# Allegro board 8880F5-0826_3.brd (continued)
## Routing (per net, layer and track width the routed paths; a pad name or vN(x,y) marks a point on that pad's centre or on a via; arc(x,y) is an arc through that point) (continued)
N26495679: length 3
  BOTTOM w0.119: UNK3R67.2 211.54,204.56 211.07,204.09 UNK3K16.3
N26495680: length 3
  BOTTOM w0.119: UNK3R68.1 211.54,201.42 211.07,201.89 UNK3K16.4
N26495681: length 3
  BOTTOM w0.119: UNK3K16.5 199.4,201.89 198.92,201.42 UNK3R70.1
N26495682: length 3
  BOTTOM w0.119: UNK3K16.6 199.4,204.09 198.92,204.56 UNK3R69.2
N26495704: length 3
  BOTTOM w0.119: UNK3R30.1 198.92,214.88 199.4,215.35 UNK3K6.5
N26495706: length 3
  BOTTOM w0.119: UNK3R27.2 211.54,218.02 211.07,217.55 UNK3K6.3
N26495707: length 3
  BOTTOM w0.119: UNK3R28.1 211.54,214.88 211.07,215.35 UNK3K6.4
N26495708: length 3
  BOTTOM w0.119: UNK3R29.2 198.92,218.02 199.4,217.55 UNK3K6.6
N26495709: length 3
  BOTTOM w0.119: UNK3R34.1 182.16,201.42 182.63,201.89 UNK3K7.5
N26495711: length 3
  BOTTOM w0.119: UNK3R31.2 194.78,204.56 194.3,204.09 UNK3K7.3
N26495712: length 3
  BOTTOM w0.119: UNK3R32.1 194.78,201.42 194.3,201.89 UNK3K7.4
N26495713: length 3
  BOTTOM w0.119: UNK3K7.6 182.63,204.09 182.16,204.56 UNK3R33.2
N26495755: length 3
  BOTTOM w0.119: UNK3K11.3 177.54,204.09 178.01,204.56 UNK3R39.2
N26495756: length 3
  BOTTOM w0.119: UNK3K11.4 177.54,201.89 178.01,201.42 UNK3R40.1
N26495757: length 3
  BOTTOM w0.119: UNK3K8.5 182.63,187.92 182.16,187.45 UNK3R38.1
N26495759: length 3
  BOTTOM w0.119: UNK3K8.6 182.63,190.12 182.16,190.59 UNK3R37.2
N26495760: length 3
  BOTTOM w0.119: UNK3K11.6 165.87,204.09 165.4,204.56 UNK3R41.2
N26495761: length 3
  BOTTOM w0.119: UNK3R42.1 165.4,201.42 165.87,201.89 UNK3K11.5
N26495803: length 3
  BOTTOM w0.119: UNK3R26.1 182.16,214.88 182.63,215.35 UNK3K5.5
N26495805: length 3
  BOTTOM w0.119: UNK3R23.2 194.78,218.02 194.3,217.55 UNK3K5.3
N26495806: length 3
  BOTTOM w0.119: UNK3K5.4 194.3,215.35 194.78,214.88 UNK3R24.1
N26495807: length 3
  BOTTOM w0.119: UNK3R25.2 182.16,218.02 182.63,217.55 UNK3K5.6
N26495828: length 3
  BOTTOM w0.119: UNK3K3.5 262.09,145.03 261.62,145.5 UNK3R18.1
N26495829: length 3
  BOTTOM w0.119: UNK3K3.6 264.29,145.03 264.76,145.5 UNK3R17.2
N26495830: length 3
  BOTTOM w0.119: UNK3K3.4 262.09,133.36 261.62,132.88 UNK3R16.1
N26495831: length 3
  BOTTOM w0.119: UNK3K3.3 264.29,133.36 264.76,132.88 UNK3R15.2
N26495834: length 3
  BOTTOM w0.119: UNK3R10.1 274.82,157.69 275.3,157.22 UNK3K1.5
N26495835: length 3
  BOTTOM w0.119: UNK3R9.2 277.97,157.69 277.5,157.22 UNK3K1.6
N26495836: length 3
  BOTTOM w0.119: UNK3K1.4 275.3,145.55 274.82,145.08 UNK3R8.1
N26495837: length 3
  BOTTOM w0.119: UNK3R7.2 277.97,145.08 277.5,145.55 UNK3K1.3
N26495839: length 3
  BOTTOM w0.119: UNK3R11.2 251.81,129.84 251.33,130.31 UNK3K2.3
N26495840: length 3
  BOTTOM w0.119: UNK3K2.4 249.13,130.31 248.66,129.84 UNK3R12.1
N26495841: length 3
  BOTTOM w0.119: UNK3R22.1 165.4,173.99 165.87,174.46 UNK3K4.5
N26495843: length 3
  BOTTOM w0.119: UNK3K4.3 177.54,176.66 178.01,177.13 UNK3R19.2
N26495844: length 3
  BOTTOM w0.119: UNK3K4.4 177.54,174.46 178.01,173.99 UNK3R20.1
N26495845: length 3
  BOTTOM w0.119: UNK3R21.2 165.4,177.13 165.87,176.66 UNK3K4.6
N26495846: length 3
  BOTTOM w0.119: UNK3K2.5 249.13,141.98 248.66,142.45 UNK3R14.1
N26495847: length 3
  BOTTOM w0.119: UNK3R13.2 251.81,142.45 251.33,141.98 UNK3K2.6
N26496039:
  vias: v1(123.38,197.41)
N26496040:
  vias: v1(127.95,197.41)
N26496047:
  vias: v1(222.38,213.82) v1(222.38,212.66) v1(224.65,211.67)
N26496049:
  vias: v1(222.38,215.98) v1(222.38,214.82) v1(224.65,216.97)
N26496050:
  vias: v1(221.21,216.98) v1(222.38,216.98)
N26496051:
  vias: v1(221.21,211.66) v1(222.38,211.66)
N26496080:
  vias: v1(128.01,182.12)
N26496081:
  vias: v1(128.01,189.74)
N26496142:
  vias: v1(96.53,197.36)
N26496146:
  vias: v1(96.53,189.74)
N26500269:
  vias: v1(88.78,163.72)
N26500273:
  vias: v1(89.02,177.49)
N26500275:
  vias: v1(94.09,177.49)
N26500282:
  vias: v1(102.35,171.81)
N26500316:
  vias: v1(102.45,185.42)
N26500354:
  vias: v1(94.09,163.77)
N26501112:
  vias: v1(111.55,288.29)
N26501118:
  vias: v1(101.81,271.78)
N26501123:
  vias: v1(128.06,271.78)
N26501243:
  vias: v1(75.99,271.78)
N26501249:
  vias: v1(75.99,288.29)
N26501321:
  vias: v1(93.77,271.78)
N26501327:
  vias: v1(93.77,288.29)
N26501460:
  vias: v1(66.25,288.29)
N26501466:
  vias: v1(66.25,271.78)
N26501470:
  vias: v1(84.03,288.29)
N26501472:
  vias: v1(118.32,271.78)
N26501478:
  vias: v1(101.81,288.29)
N26504239: length 3
  BOTTOM w0.119: UNK4R55.2 393.35,190.46 393.83,189.99 UNK4K25.3
N26504240: length 3
  BOTTOM w0.119: UNK4K25.4 396.03,189.99 396.5,190.46 UNK4R56.1
N26504241: length 3
  BOTTOM w0.119: UNK4R57.2 393.35,177.84 393.83,178.31 UNK4K25.6
N26504242: length 3
  BOTTOM w0.119: UNK4R58.1 396.5,177.84 396.03,178.31 UNK4K25.5
N26504244: length 3
  BOTTOM w0.119: UNK4K26.3 407.29,189.99 406.82,190.46 UNK4R59.2
N26504245: length 3
  BOTTOM w0.119: UNK4R60.1 409.96,190.46 409.49,189.99 UNK4K26.4
N26504246: length 3
  BOTTOM w0.119: UNK4K26.6 407.29,178.31 406.82,177.84 UNK4R61.2
N26504247: length 3
  BOTTOM w0.119: UNK4R62.1 409.96,177.84 409.49,178.31 UNK4K26.5
N26504249: length 3
  BOTTOM w0.119: UNK4K27.5 382.82,161.55 383.29,161.08 UNK4R66.1
N26504250: length 3
  BOTTOM w0.119: UNK4R65.2 380.15,161.08 380.62,161.55 UNK4K27.6
N26504257: length 3
  BOTTOM w0.119: UNK4K22.6 373.89,196.98 373.42,197.45 UNK4R45.2
N26504258: length 3
  BOTTOM w0.119: UNK4R46.1 373.42,194.31 373.89,194.78 UNK4K22.5
N26504259: length 3
  BOTTOM w0.119: UNK4K23.3 402.08,196.98 402.55,197.45 UNK4R47.2
N26504260: length 3
  BOTTOM w0.119: UNK4R48.1 402.55,194.31 402.08,194.78 UNK4K23.4
N26504261: length 3
  BOTTOM w0.119: UNK4R49.2 389.93,197.45 390.4,196.98 UNK4K23.6
N26504262: length 3
  BOTTOM w0.119: UNK4R50.1 389.93,194.31 390.4,194.78 UNK4K23.5
N26504264: length 3
  BOTTOM w0.119: UNK4R51.2 356.57,133.44 356.1,132.97 UNK4K24.3
N26504265: length 3
  BOTTOM w0.119: UNK4R52.1 356.57,130.3 356.1,130.77 UNK4K24.4
N26504266: length 3
  BOTTOM w0.119: UNK4R53.2 343.96,133.44 344.43,132.97 UNK4K24.6
N26504267: length 3
  BOTTOM w0.119: UNK4K24.5 344.43,130.77 343.96,130.3 UNK4R54.1
N26504282: length 3
  BOTTOM w0.119: UNK4R102.2 386.04,197.45 385.57,196.98 UNK4K22.3
N26504283: length 3
  BOTTOM w0.119: UNK4K22.4 385.57,194.78 386.04,194.31 UNK4R103.1
N26504284: length 3
  BOTTOM w0.119: UNK4K27.3 380.62,173.22 380.15,173.69 UNK4R104.2
N26504285: length 3
  BOTTOM w0.119: UNK4R105.1 383.29,173.69 382.82,173.22 UNK4K27.4
N26504400:
  vias: v1(465.57,192.28)
N26504405:
  vias: v1(468.62,192.28)
N26504440: length 3
  BOTTOM w0.119: UNK4K17.3 416.18,141.73 415.71,142.2 UNK4R71.2
N26504441: length 3
  BOTTOM w0.119: UNK4K17.4 418.38,141.73 418.85,142.2 UNK4R72.1
N26504442: length 3
  BOTTOM w0.119: UNK4K17.5 418.38,130.05 418.85,129.58 UNK4R74.1
N26504443: length 3
  BOTTOM w0.119: UNK4K17.6 416.18,130.05 415.71,129.58 UNK4R73.2
N26504444: length 3
  BOTTOM w0.119: UNK4K21.3 389.76,141.73 389.29,142.2 UNK4R75.2
N26504445: length 3
  BOTTOM w0.119: UNK4R76.1 392.43,142.2 391.96,141.73 UNK4K21.4
N26504446: length 3
  BOTTOM w0.119: UNK4K21.5 391.96,130.05 392.43,129.58 UNK4R78.1
N26504447: length 3
  BOTTOM w0.119: UNK4K21.6 389.76,130.05 389.29,129.58 UNK4R77.2
N26504448: length 3
  BOTTOM w0.119: UNK4R79.2 406.82,173.95 407.29,173.48 UNK4K29.3
N26504449: length 3
  BOTTOM w0.119: UNK4R80.1 409.96,173.95 409.49,173.48 UNK4K29.4
N26504450: length 3
  BOTTOM w0.119: UNK4K29.6 407.29,161.8 406.82,161.33 UNK4R43.2
N26504451: length 3
  BOTTOM w0.119: UNK4K29.5 409.49,161.8 409.96,161.33 UNK4R44.1
N26504452: length 3
  BOTTOM w0.119: UNK4K30.3 310.22,155.89 309.75,156.36 UNK4R63.2
N26504453: length 3
  BOTTOM w0.119: UNK4K30.4 312.42,155.89 312.89,156.36 UNK4R64.1
N26504454: length 3
  BOTTOM w0.119: UNK4R101.1 312.89,143.74 312.42,144.21 UNK4K30.5
N26504455: length 3
  BOTTOM w0.119: UNK4K30.6 310.22,144.21 309.75,143.74 UNK4R100.2
N26504536: length 3
  BOTTOM w0.119: UNK4R67.2 393.35,173.95 393.83,173.48 UNK4K16.3
N26504537: length 3
  BOTTOM w0.119: UNK4K16.4 396.03,173.48 396.5,173.95 UNK4R68.1
N26504538: length 3
  BOTTOM w0.119: UNK4R70.1 396.5,161.33 396.03,161.8 UNK4K16.5
N26504539: length 3
  BOTTOM w0.119: UNK4K16.6 393.83,161.8 393.35,161.33 UNK4R69.2
N26504561: length 3
  BOTTOM w0.119: UNK4R30.1 423.68,144.57 423.2,145.04 UNK4K6.5
N26504563: length 3
  BOTTOM w0.119: UNK4K6.3 421,156.71 420.53,157.18 UNK4R27.2
N26504564: length 3
  BOTTOM w0.119: UNK4R28.1 423.68,157.18 423.2,156.71 UNK4K6.4
N26504565: length 3
  BOTTOM w0.119: UNK4K6.6 421,145.04 420.53,144.57 UNK4R29.2
N26504566: length 3
  BOTTOM w0.119: UNK4R34.1 413.3,180.84 413.77,181.32 UNK4K7.5
N26504568: length 3
  BOTTOM w0.119: UNK4K7.3 425.44,183.52 425.92,183.99 UNK4R31.2
N26504569: length 3
  BOTTOM w0.119: UNK4K7.4 425.44,181.32 425.92,180.84 UNK4R32.1
N26504570: length 3
  BOTTOM w0.119: UNK4R33.2 413.3,183.99 413.77,183.52 UNK4K7.6
N26504612: length 3
  BOTTOM w0.119: UNK4R39.2 380.15,190.46 380.62,189.99 UNK4K11.3
N26504613: length 3
  BOTTOM w0.119: UNK4K11.4 382.82,189.99 383.29,190.46 UNK4R40.1
N26504614: length 3
  BOTTOM w0.119: UNK4K8.5 405.17,130.05 405.64,129.58 UNK4R38.1
N26504616: length 3
  BOTTOM w0.119: UNK4R37.2 402.5,129.58 402.97,130.05 UNK4K8.6
N26504617: length 3
  BOTTOM w0.119: UNK4R41.2 380.15,177.84 380.62,178.31 UNK4K11.6
N26504618: length 3
  BOTTOM w0.119: UNK4K11.5 382.82,178.31 383.29,177.84 UNK4R42.1
N26504660: length 3
  BOTTOM w0.119: UNK4R26.1 396.5,144.57 396.03,145.04 UNK4K5.5
N26504662: length 3
  BOTTOM w0.119: UNK4R23.2 393.35,157.18 393.83,156.71 UNK4K5.3
N26504663: length 3
  BOTTOM w0.119: UNK4K5.4 396.03,156.71 396.5,157.18 UNK4R24.1
N26504664: length 3
  BOTTOM w0.119: UNK4R25.2 393.35,144.57 393.83,145.04 UNK4K5.6
N26504685: length 3
  BOTTOM w0.119: UNK4R18.1 326.39,129.33 325.92,129.8 UNK4K3.5
N26504686: length 3
  BOTTOM w0.119: UNK4R17.2 323.25,129.33 323.72,129.8 UNK4K3.6
N26504687: length 3
  BOTTOM w0.119: UNK4R16.1 326.39,141.94 325.92,141.47 UNK4K3.4
N26504688: length 3
  BOTTOM w0.119: UNK4K3.3 323.72,141.47 323.25,141.94 UNK4R15.2
N26504691: length 3
  BOTTOM w0.119: UNK4K1.5 422.7,161.8 423.17,161.33 UNK4R10.1
N26504692: length 3
  BOTTOM w0.119: UNK4K1.6 420.5,161.8 420.02,161.33 UNK4R9.2
N26504693: length 3
  BOTTOM w0.119: UNK4R8.1 423.17,173.95 422.7,173.48 UNK4K1.4
N26504694: length 3
  BOTTOM w0.119: UNK4K1.3 420.5,173.48 420.02,173.95 UNK4R7.2
N26504696: length 3
  BOTTOM w0.119: UNK4R11.2 407.07,157.18 407.54,156.71 UNK4K2.3
N26504697: length 3
  BOTTOM w0.119: UNK4K2.4 409.74,156.71 410.21,157.18 UNK4R12.1
N26504698: length 3
  BOTTOM w0.119: UNK4R22.1 411.48,207.31 411.01,207.78 UNK4K4.5
N26504700: length 3
  BOTTOM w0.119: UNK4K4.3 408.81,219.45 408.34,219.92 UNK4R19.2
N26504701: length 3
  BOTTOM w0.119: UNK4K4.4 411.01,219.45 411.48,219.92 UNK4R20.1
N26504702: length 3
  BOTTOM w0.119: UNK4K4.6 408.81,207.78 408.34,207.31 UNK4R21.2
N26504703: length 3
  BOTTOM w0.119: UNK4R14.1 410.21,144.57 409.74,145.04 UNK4K2.5
N26504704: length 3
  BOTTOM w0.119: UNK4K2.6 407.54,145.04 407.07,144.57 UNK4R13.2
N26504896:
  vias: v1(456.25,190.45)
N26504897:
  vias: v1(451.68,190.45)
N26504904:
  vias: v1(302.38,213.82) v1(302.38,212.66) v1(304.65,211.67)
N26504906:
  vias: v1(302.38,215.98) v1(302.38,214.82) v1(304.65,216.97)
N26504907:
  vias: v1(301.21,216.98) v1(302.38,216.98)
N26504908:
  vias: v1(301.21,211.66) v1(302.38,211.66)
N26504937:
  vias: v1(451.62,188.98)
N26505003:
  vias: v1(483.1,197.87)
N26509126:
  vias: v1(491.1,183.24)
N26509130:
  vias: v1(490.86,169.47)
N26509132:
  vias: v1(485.8,169.47)
N26509139:
  vias: v1(477.53,175.15)
N26509173:
  vias: v1(477.43,161.55)
N26509211:
  vias: v1(485.8,183.19)
N26509969:
  vias: v1(511.6,274.32)
N26509975:
  vias: v1(518.37,290.83)
N26509980:
  vias: v1(528.11,274.32)
N26510100:
  vias: v1(478.58,257.81)
N26510106:
  vias: v1(528.11,257.81)
N26510178:
  vias: v1(511.6,257.81)
N26510184:
  vias: v1(495.09,257.81)
N26510317:
  vias: v1(518.37,257.81)
N26510323:
  vias: v1(468.84,257.81)
N26510327:
  vias: v1(485.35,257.81)
N26510329:
  vias: v1(518.37,274.32)
N26510335:
  vias: v1(501.86,274.32)

## Copper pours and planes (outline as drawn; the poured copper is in the pictures)
GND on L03_SIGNAL, L28_SIGNAL, L30_SIGNAL: 1.02,1.27 1.02,427.99 205.54,427.99 216.92,422.32 228.3,427.99 352.84,427.99 364.23,422.27 375.62,427.99 580.13,427.99 580.13,1.27 301.95,1.27 290.57,6.93 279.19,1.27
(no net) on L32_SIGNAL: 1.02,1.27 1.02,427.99 205.54,427.99 216.92,422.32 228.3,427.99 352.84,427.99 364.23,422.27 375.62,427.99 580.13,427.99 580.13,1.27 301.95,1.27 290.57,6.93 279.19,1.27

## Text on the board
User.Comments: CR_SS_6 | CR_2_2 | CR_RELAY_19 | CR_4_2 | CR_3_1 | CR_2_3 | CR_UNNAMED_2 | CR_UNNAMED_3 | CR_QQ_28 | CR_A_23 | CR_5_1 | CR_5_2 | CR_QQ_12 | CR_QQ_11 | CR_A_28 | CR_A_21 | CR_A_25 | CR_A_26 | CR_A_30 | CR_A_32 | CR_A_22 | CR_A_24 | CR_A_27 | CR_A_29 | CR_A_31 | CR_A_20
